# Altium PCB ADAPTONE_PCB_COPY.PcbDoc (part 9 of 11) (continued)
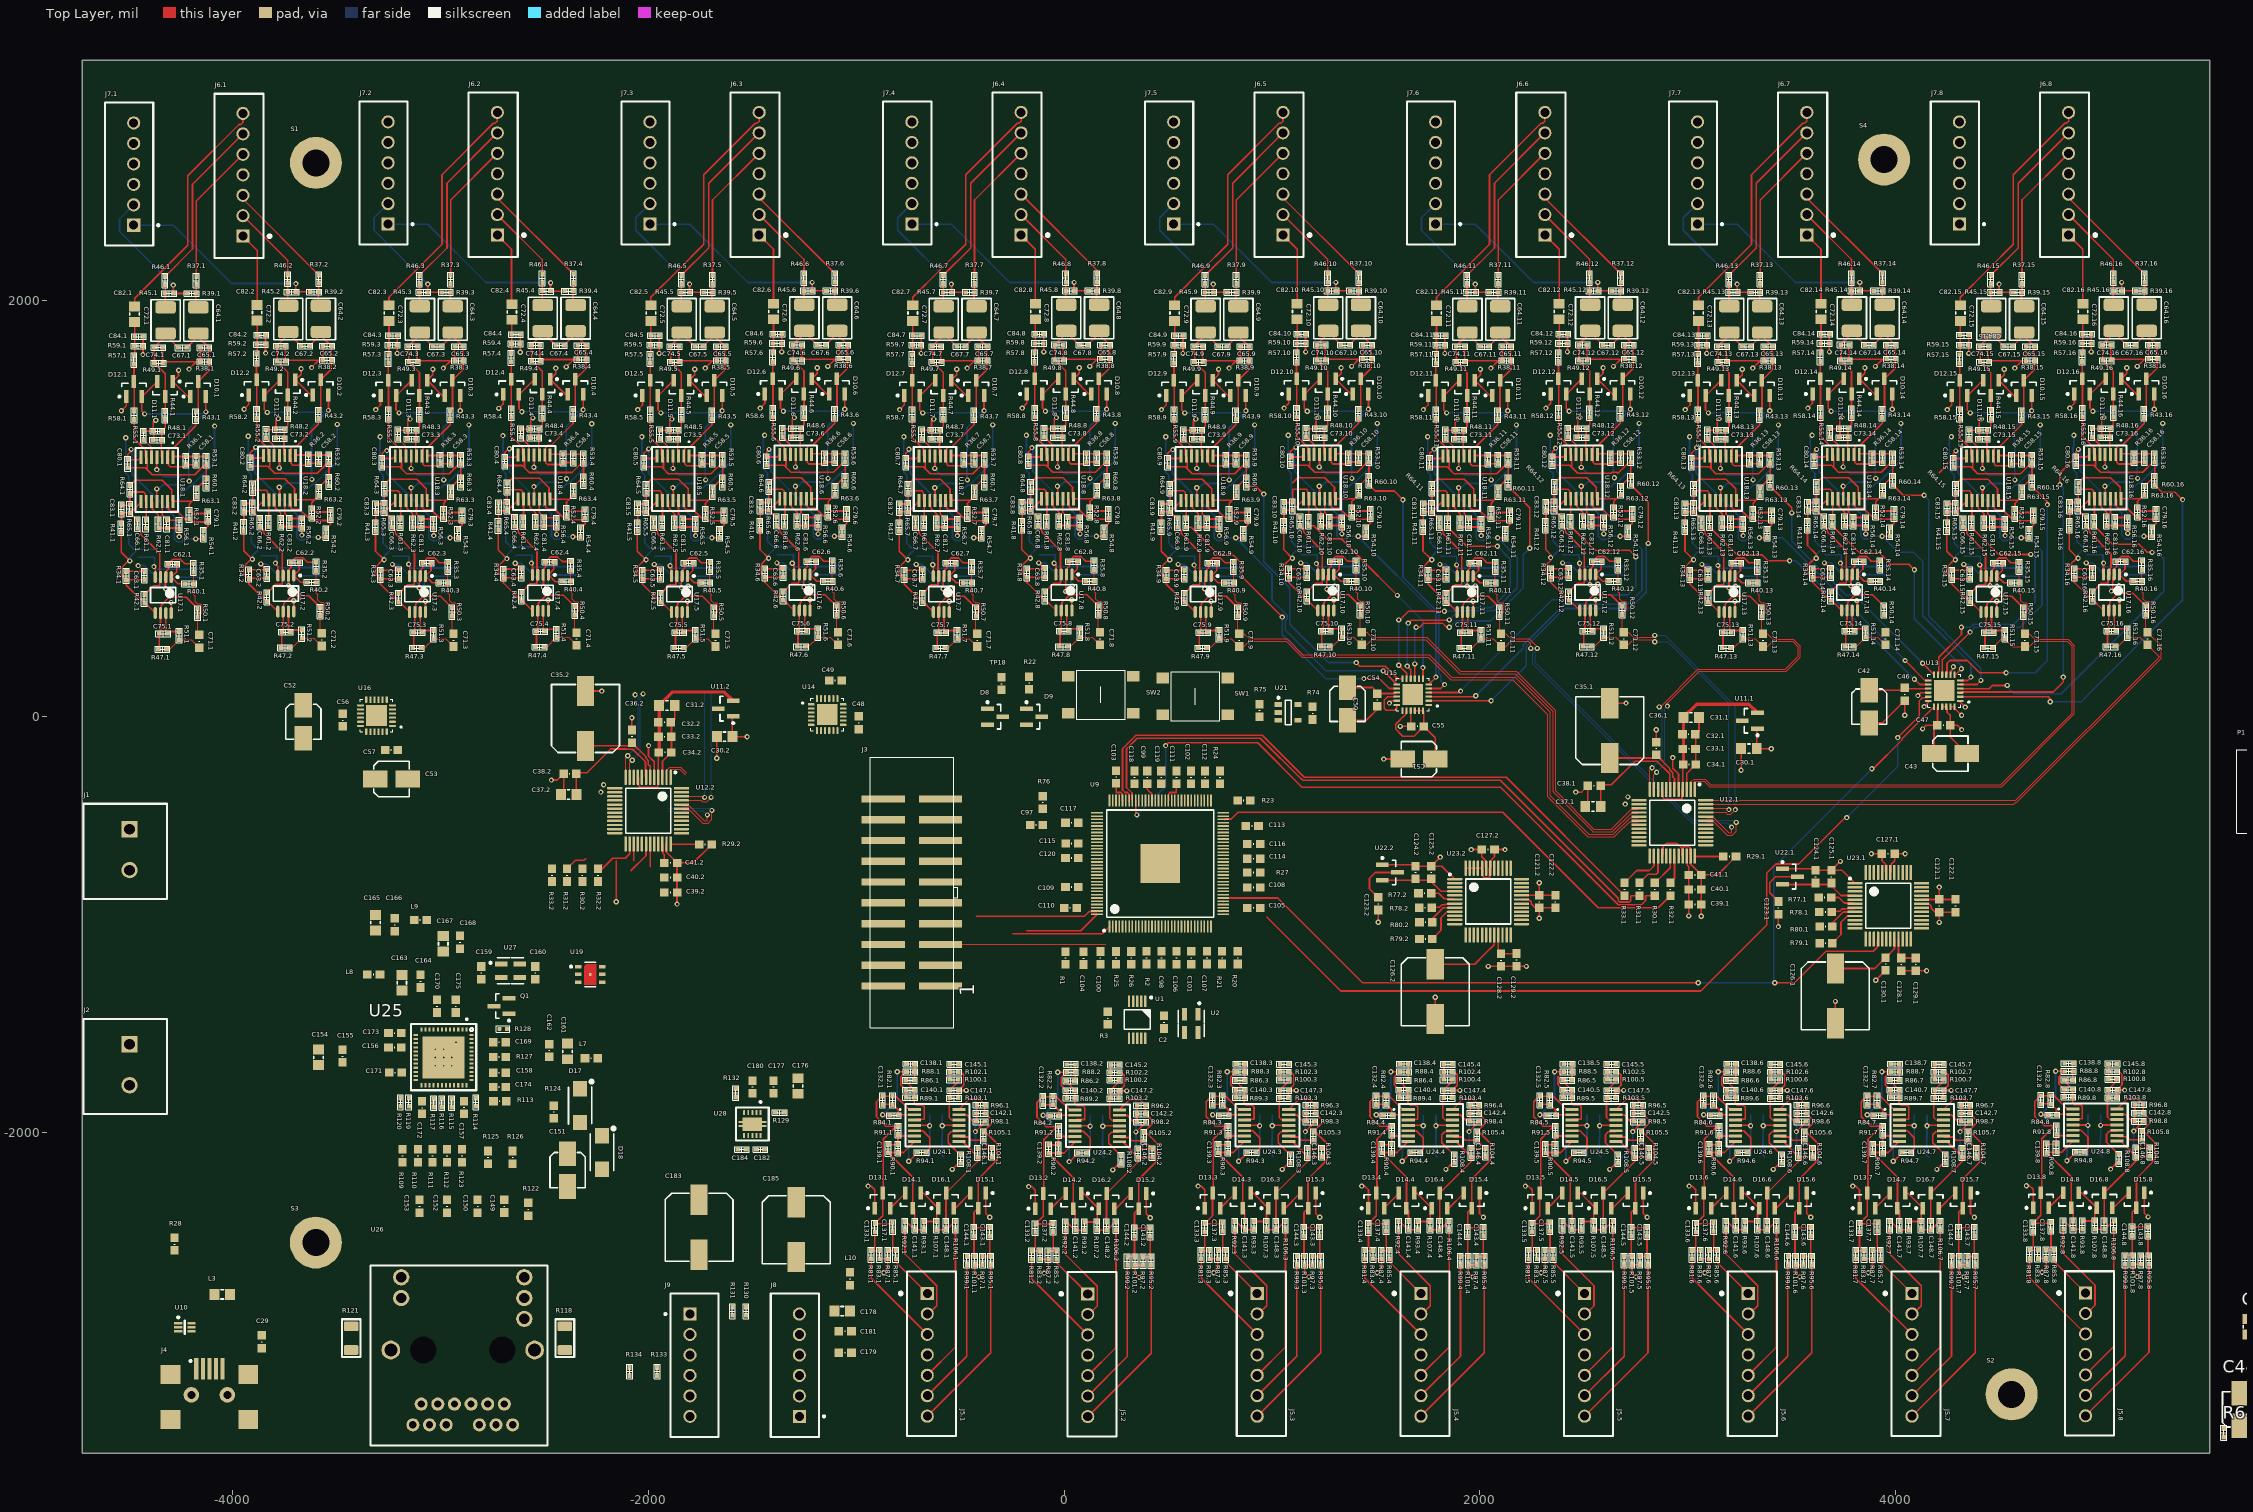
[diagram p0: Top Layer view]
## Nets (pads, with @x,y where several pads share a name; then routed paths per layer and width w, separated by ;. In a path a pad name is that pad's centre, name@x,y a point inside that pad or via, vN(x,y) a via of type N, cw(c..) or ccw(c..) an arc to the next point about the centre after c; other vN are vias at no path point) (continued)
NetC80.3_1: C80.3.1 R53.3.1 R58.3.1 R60.3.2 R63.3.2 U18.3.6 | length 819.3
  Top Layer w8: C80.3.1@-3280.97,1202.17 -3197.29,1202.17 -3187.45,1192.34 ; R58.3.1@-3250.2,1435.07 -3250.2,1342 -3206.78,1298.59 -3205.06,1298.59 -3196.85,1290.39 -3196.85,1257.79 U18.3.6@-3192.15,1253.09 -3187.45,1248.39 -3187.45,1192.34 ; R63.3.2@-2950.97,1100.54 -2950.97,1101.62 -2905.05,1147.54 R60.3.2@-2902.97,1147.54 R53.3.1@-2902.97,1217.17 -2910.52,1217.17 -2958.84,1168.86 -3163.97,1168.86 -3187.45,1192.34
NetC80.4_1: C80.4.1 R53.4.1 R58.4.1 R60.4.2 R63.4.2 U18.4.6 | length 819.3
  Top Layer w8: C80.4.1@-2689.94,1207.76 -2606.26,1207.76 -2596.42,1197.93 ; R58.4.1@-2659.17,1440.66 -2659.17,1347.59 -2615.75,1304.18 -2614.02,1304.18 -2605.82,1295.98 -2605.82,1263.38 U18.4.6@-2601.12,1258.68 -2596.42,1253.98 -2596.42,1197.93 ; R63.4.2@-2359.94,1106.13 -2359.94,1107.21 -2314.02,1153.13 R60.4.2@-2311.94,1153.13 R53.4.1@-2311.94,1222.76 -2319.49,1222.76 -2367.8,1174.45 -2572.94,1174.45 -2596.42,1197.93
NetC80.5_1: C80.5.1 R53.5.1 R58.5.1 R60.5.2 R63.5.2 U18.5.6 | length 819.3
  Top Layer w8: C80.5.1@-2021.13,1202.17 -1937.44,1202.17 -1927.61,1192.34 ; R58.5.1@-1990.35,1435.07 -1990.35,1342 -1946.94,1298.59 -1945.21,1298.59 -1937.01,1290.39 -1937.01,1257.79 U18.5.6@-1932.31,1253.09 -1927.61,1248.39 -1927.61,1192.34 ; R63.5.2@-1691.13,1100.54 -1691.13,1101.62 -1645.21,1147.54 R60.5.2@-1643.13,1147.54 R53.5.1@-1643.13,1217.17 -1650.68,1217.17 -1698.99,1168.86 -1904.13,1168.86 -1927.61,1192.34
NetC80.6_1: C80.6.1 R53.6.1 R58.6.1 R60.6.2 R63.6.2 U18.6.6 | length 819.3
  Top Layer w8: C80.6.1@-1431.46,1209.65 -1347.77,1209.65 -1337.94,1199.81 ; R58.6.1@-1400.68,1442.55 -1400.68,1349.48 -1357.27,1306.06 -1355.54,1306.06 -1347.34,1297.86 -1347.34,1265.27 U18.6.6@-1342.64,1260.57 -1337.94,1255.87 -1337.94,1199.81 ; R63.6.2@-1101.46,1108.02 -1101.46,1109.1 -1055.54,1155.02 R60.6.2@-1053.46,1155.02 R53.6.1@-1053.46,1224.65 -1061.01,1224.65 -1109.32,1176.33 -1314.46,1176.33 -1337.94,1199.81
NetC80.7_1: C80.7.1 R53.7.1 R58.7.1 R60.7.2 R63.7.2 U18.7.6 | length 819.3
  Top Layer w8: C80.7.1@-761.29,1202.17 -677.6,1202.17 -667.77,1192.34 ; R58.7.1@-730.51,1435.07 -730.51,1342 -687.1,1298.59 -685.37,1298.59 -677.17,1290.39 -677.17,1257.79 U18.7.6@-672.47,1253.09 -667.77,1248.39 -667.77,1192.34 ; R63.7.2@-431.29,1100.54 -431.29,1101.62 -385.37,1147.54 R60.7.2@-383.29,1147.54 R53.7.1@-383.29,1217.17 -390.84,1217.17 -439.15,1168.86 -644.29,1168.86 -667.77,1192.34
NetC80.8_1: C80.8.1 R53.8.1 R58.8.1 R60.8.2 R63.8.2 U18.8.6 | length 819.3
  Top Layer w8: C80.8.1@-171.62,1209.65 -87.93,1209.65 -78.1,1199.81 ; R58.8.1@-140.84,1442.55 -140.84,1349.48 -97.43,1306.06 -95.7,1306.06 -87.5,1297.86 -87.5,1265.27 U18.8.6@-82.8,1260.57 -78.1,1255.87 -78.1,1199.81 ; R63.8.2@158.38,1108.02 158.38,1109.1 204.3,1155.02 R60.8.2@206.38,1155.02 R53.8.1@206.38,1224.65 198.84,1224.65 150.52,1176.33 -54.62,1176.33 -78.1,1199.81
NetC80.9_1: C80.9.1 R53.9.1 R58.9.1 R60.9.2 R63.9.2 U18.9.6 | length 819.3
  Top Layer w8: C80.9.1@498.56,1202.17 582.24,1202.17 592.07,1192.34 ; R58.9.1@529.33,1435.07 529.33,1342 572.74,1298.59 574.47,1298.59 582.67,1290.39 582.67,1257.79 U18.9.6@587.37,1253.09 592.07,1248.39 592.07,1192.34 ; R63.9.2@828.56,1100.54 828.56,1101.62 874.47,1147.54 R60.9.2@876.56,1147.54 R53.9.1@876.56,1217.17 869.01,1217.17 820.69,1168.86 615.56,1168.86 592.07,1192.34
NetC80.10_1: C80.10.1 R53.10.1 R58.10.1 R60.10.2 R63.10.2 U18.10.6 | length 819.3
  Top Layer w8: C80.10.1@1088.23,1209.65 1171.91,1209.65 1181.75,1199.81 ; R58.10.1@1119,1442.55 1119,1349.48 1162.42,1306.06 1164.14,1306.06 1172.35,1297.86 1172.35,1265.27 U18.10.6@1177.05,1260.57 1181.75,1255.87 1181.75,1199.81 ; R63.10.2@1418.23,1108.02 1418.23,1109.1 1464.14,1155.02 R60.10.2@1466.23,1155.02 R53.10.1@1466.23,1224.65 1458.68,1224.65 1410.36,1176.33 1205.23,1176.33 1181.75,1199.81
NetC80.11_1: C80.11.1 R53.11.1 R58.11.1 R60.11.2 R63.11.2 U18.11.6 | length 819.3
  Top Layer w8: C80.11.1@1758.4,1202.17 1842.08,1202.17 1851.92,1192.34 ; R58.11.1@1789.17,1435.07 1789.17,1342 1832.59,1298.59 1834.31,1298.59 1842.52,1290.39 1842.52,1257.79 U18.11.6@1847.22,1253.09 1851.92,1248.39 1851.92,1192.34 ; R63.11.2@2088.4,1100.54 2088.4,1101.62 2134.32,1147.54 R60.11.2@2136.4,1147.54 R53.11.1@2136.4,1217.17 2128.85,1217.17 2080.53,1168.86 1875.4,1168.86 1851.92,1192.34
NetC80.12_1: C80.12.1 R53.12.1 R58.12.1 R60.12.2 R63.12.2 U18.12.6 | length 828.4
  Top Layer w8: C80.12.1@2348.07,1209.65 2431.75,1209.65 2441.59,1199.81 ; R58.12.1@2378.85,1442.55 2378.85,1349.48 2422.26,1306.06 2423.99,1306.06 2432.19,1297.86 2432.19,1265.27 U18.12.6@2436.89,1260.57 2441.59,1255.87 2441.59,1199.81 ; R63.12.2@2678.07,1108.02 2678.07,1109.1 2723.99,1155.02 R60.12.2@2726.07,1155.02 R53.12.1@2726.07,1224.65 2718.52,1224.65 2664.13,1170.25 2662.97,1170.25 2657.98,1175.24 2636.02,1175.24 2631.03,1170.25 2471.15,1170.25 2441.59,1199.81
NetC80.13_1: C80.13.1 R53.13.1 R58.13.1 R60.13.2 R63.13.2 U18.13.6 | length 819.3
  Top Layer w8: C80.13.1@3018.24,1202.17 3101.92,1202.17 3111.76,1192.34 ; R58.13.1@3049.02,1435.07 3049.02,1342 3092.43,1298.59 3094.16,1298.59 3102.36,1290.39 3102.36,1257.79 U18.13.6@3107.06,1253.09 3111.76,1248.39 3111.76,1192.34 ; R63.13.2@3348.24,1100.54 3348.24,1101.62 3394.16,1147.54 R60.13.2@3396.24,1147.54 R53.13.1@3396.24,1217.17 3388.69,1217.17 3340.38,1168.86 3135.24,1168.86 3111.76,1192.34
NetC80.14_1: C80.14.1 R53.14.1 R58.14.1 R60.14.2 R63.14.2 U18.14.6 | length 819.3
  Top Layer w8: C80.14.1@3607.91,1209.65 3691.6,1209.65 3701.43,1199.81 ; R58.14.1@3638.69,1442.55 3638.69,1349.48 3682.1,1306.06 3683.83,1306.06 3692.03,1297.86 3692.03,1265.27 U18.14.6@3696.73,1260.57 3701.43,1255.87 3701.43,1199.81 ; R63.14.2@3937.91,1108.02 3937.91,1109.1 3983.83,1155.02 R60.14.2@3985.91,1155.02 R53.14.1@3985.91,1224.65 3978.36,1224.65 3930.05,1176.33 3724.91,1176.33 3701.43,1199.81
NetC80.15_1: C80.15.1 R53.15.1 R58.15.1 R60.15.2 R63.15.2 U18.15.6 | length 819.3
  Top Layer w8: C80.15.1@4278.08,1202.17 4361.77,1202.17 4371.6,1192.34 ; R58.15.1@4308.86,1435.07 4308.86,1342 4352.27,1298.59 4354,1298.59 4362.2,1290.39 4362.2,1257.79 U18.15.6@4366.9,1253.09 4371.6,1248.39 4371.6,1192.34 ; R63.15.2@4608.08,1100.54 4608.08,1101.62 4654,1147.54 R60.15.2@4656.08,1147.54 R53.15.1@4656.08,1217.17 4648.53,1217.17 4600.22,1168.86 4395.08,1168.86 4371.6,1192.34
NetC80.16_1: C80.16.1 R53.16.1 R58.16.1 R60.16.2 R63.16.2 U18.16.6 | length 820.5
  Top Layer w8: C80.16.1@4867.75,1209.65 4951.44,1209.65 4961.27,1199.81 ; R58.16.1@4898.53,1442.55 4898.53,1349.48 4941.94,1306.06 4943.67,1306.06 4951.87,1297.86 4951.87,1265.27 U18.16.6@4956.57,1260.57 4961.27,1255.87 4961.27,1199.81 ; R63.16.2@5197.75,1108.02 5197.75,1109.1 5243.67,1155.02 R60.16.2@5245.75,1155.02 R53.16.1@5245.75,1224.65 5238.21,1224.65 5188.39,1174.83 4986.25,1174.83 4961.27,1199.81
NetC81.1_2: C81.1.2 R56.1.1 U18.1.12 | length 159.6
  Top Layer w8: U18.1.12@-4338.96,1035.36 -4338.96,969.27 -4315.1,945.4 -4259.55,945.4 R56.1.1@-4256.55,942.4
NetC81.2_2: C81.2.2 R56.2.1 U18.2.12 | length 159.6
  Top Layer w8: U18.2.12@-3749.29,1042.83 -3749.29,976.74 -3725.43,952.88 -3669.88,952.88 R56.2.1@-3666.88,949.88
NetC81.3_2: C81.3.2 R56.3.1 U18.3.12 | length 159.6
  Top Layer w8: U18.3.12@-3115.38,1040.49 -3115.38,974.4 -3091.52,950.54 -3035.97,950.54 R56.3.1@-3032.97,947.54
NetC81.4_2: C81.4.2 R56.4.1 U18.4.12 | length 159.6
  Top Layer w8: U18.4.12@-2524.35,1046.08 -2524.35,979.99 -2500.49,956.13 -2444.94,956.13 R56.4.1@-2441.94,953.13
NetC81.5_2: C81.5.2 R56.5.1 U18.5.12 | length 159.6
  Top Layer w8: U18.5.12@-1855.54,1040.49 -1855.54,974.4 -1831.68,950.54 -1776.13,950.54 R56.5.1@-1773.13,947.54
NetC81.6_2: C81.6.2 R56.6.1 U18.6.12 | length 159.6
  Top Layer w8: U18.6.12@-1265.87,1047.97 -1265.87,981.88 -1242.01,958.02 -1186.46,958.02 R56.6.1@-1183.46,955.02
NetC81.7_2: C81.7.2 R56.7.1 U18.7.12 | length 159.6
  Top Layer w8: U18.7.12@-595.7,1040.49 -595.7,974.4 -571.84,950.54 -516.29,950.54 R56.7.1@-513.29,947.54
NetC81.8_2: C81.8.2 R56.8.1 U18.8.12 | length 159.6
  Top Layer w8: U18.8.12@-6.02,1047.97 -6.02,981.88 17.84,958.02 73.38,958.02 R56.8.1@76.38,955.02
NetC81.9_2: C81.9.2 R56.9.1 U18.9.12 | length 159.6
  Top Layer w8: U18.9.12@664.15,1040.49 664.15,974.4 688.01,950.54 743.56,950.54 R56.9.1@746.56,947.54
NetC81.10_2: C81.10.2 R56.10.1 U18.10.12 | length 159.6
  Top Layer w8: U18.10.12@1253.82,1047.97 1253.82,981.88 1277.68,958.02 1333.23,958.02 R56.10.1@1336.23,955.02
NetC81.11_2: C81.11.2 R56.11.1 U18.11.12 | length 159.6
  Top Layer w8: U18.11.12@1923.99,1040.49 1923.99,974.4 1947.85,950.54 2003.4,950.54 R56.11.1@2006.4,947.54
NetC81.12_2: C81.12.2 R56.12.1 U18.12.12 | length 159.6
  Top Layer w8: U18.12.12@2513.66,1047.97 2513.66,981.88 2537.52,958.02 2593.07,958.02 R56.12.1@2596.07,955.02
NetC81.13_2: C81.13.2 R56.13.1 U18.13.12 | length 159.6
  Top Layer w8: U18.13.12@3183.83,1040.49 3183.83,974.4 3207.69,950.54 3263.24,950.54 R56.13.1@3266.24,947.54
NetC81.14_2: C81.14.2 R56.14.1 U18.14.12 | length 159.6
  Top Layer w8: U18.14.12@3773.5,1047.97 3773.5,981.88 3797.36,958.02 3852.91,958.02 R56.14.1@3855.91,955.02
NetC81.15_2: C81.15.2 R56.15.1 U18.15.12 | length 159.6
  Top Layer w8: U18.15.12@4443.67,1040.49 4443.67,974.4 4467.54,950.54 4523.08,950.54 R56.15.1@4526.08,947.54
NetC81.16_2: C81.16.2 R56.16.1 U18.16.12 | length 159.6
  Top Layer w8: U18.16.12@5033.35,1047.97 5033.35,981.88 5057.21,958.02 5112.75,958.02 R56.16.1@5115.75,955.02
NetC82.1_1: C82.1.1 J6.1.7 | length 1148.9
  Top Layer w8: C82.1.1@-4471.61,1973.44 -4471.61,2012.09 -4340.48,2143.22 -4340.43,2143.22 -4216.53,2267.12 -4216.53,2601.5 -3969.25,2848.77 -3961.21,2848.77 -3950.41,2859.57 J6.1.7@-3950.41,2901.7
NetC82.1_2: C82.1.2 C84.1.1 R57.1.2 R59.1.1 | length 162.5
  Top Layer w8: R59.1.1@-4472.82,1783.03 R59.1.1@-4471.61,1784.24 ; R57.1.2@-4471.61,1738.95 R59.1.1@-4471.61,1784.24 ; C82.1.2@-4471.61,1898.63 R59.1.1@-4471.61,1784.24 ; R59.1.1@-4470.82,1785.03 R59.1.1@-4471.61,1784.24
NetC82.2_1: C82.2.1 J6.1.1 | length 358.6
  Top Layer w8: J6.1.1@-3950.41,2311.15 -3881.94,2242.68 C82.2.1@-3881.94,1980.91
NetC82.2_2: C82.2.2 C84.2.1 R57.2.2 R59.2.1 | length 162.5
  Top Layer w8: R59.2.1@-3883.15,1790.51 R59.2.1@-3881.94,1791.71 ; R57.2.2@-3881.94,1746.42 R59.2.1@-3881.94,1791.71 ; C82.2.2@-3881.94,1906.11 R59.2.1@-3881.94,1791.71 ; R59.2.1@-3881.15,1792.51 R59.2.1@-3881.94,1791.71
NetC82.3_1: C82.3.1 J6.2.7 | length 1148.9
  Top Layer w8: C82.3.1@-3248.03,1978.57 -3248.03,2017.22 -3116.9,2148.35 -3116.85,2148.35 -2992.94,2272.25 -2992.94,2606.63 -2745.67,2853.91 -2737.63,2853.91 -2726.83,2864.71 J6.2.7@-2726.83,2906.84
NetC82.3_2: C82.3.2 C84.3.1 R57.3.2 R59.3.1 | length 162.5
  Top Layer w8: R59.3.1@-3249.24,1788.17 R59.3.1@-3248.03,1789.38 ; R57.3.2@-3248.03,1744.09 R59.3.1@-3248.03,1789.38 ; C82.3.2@-3248.03,1903.77 R59.3.1@-3248.03,1789.38 ; R59.3.1@-3247.24,1790.17 R59.3.1@-3248.03,1789.38
NetC82.4_1: C82.4.1 J6.2.1 | length 358.6
  Top Layer w8: J6.2.1@-2726.83,2316.28 -2658.36,2247.82 C82.4.1@-2658.36,1986.05
NetC82.4_2: C82.4.2 C84.4.1 R57.4.2 R59.4.1 | length 162.5
  Top Layer w8: R59.4.1@-2658.2,1793.76 R59.4.1@-2657,1794.97 ; R57.4.2@-2657,1749.68 R59.4.1@-2657,1794.97 ; C82.4.2@-2657,1909.36 R59.4.1@-2657,1794.97 ; R59.4.1@-2656.2,1795.76 R59.4.1@-2657,1794.97
NetC82.5_1: C82.5.1 J6.3.7 | length 1148.9
  Top Layer w8: C82.5.1@-1988.19,1978.57 -1988.19,2017.22 -1857.06,2148.35 -1857,2148.35 -1733.1,2272.25 -1733.1,2606.63 -1485.83,2853.91 -1477.79,2853.91 -1466.98,2864.71 J6.3.7@-1466.98,2906.84
NetC82.5_2: C82.5.2 C84.5.1 R57.5.2 R59.5.1 | length 162.5
  Top Layer w8: R59.5.1@-1989.39,1788.17 R59.5.1@-1988.19,1789.38 ; R57.5.2@-1988.19,1744.09 R59.5.1@-1988.19,1789.38 ; C82.5.2@-1988.19,1903.77 R59.5.1@-1988.19,1789.38 ; R59.5.1@-1987.39,1790.17 R59.5.1@-1988.19,1789.38
NetC82.6_1: C82.6.1 J6.3.1 | length 358.6
  Top Layer w8: J6.3.1@-1466.98,2316.28 -1398.52,2247.82 C82.6.1@-1398.52,1986.05
NetC82.6_2: C82.6.2 C84.6.1 R57.6.2 R59.6.1 | length 162.5
  Top Layer w8: R59.6.1@-1399.72,1795.65 R59.6.1@-1398.52,1796.85 ; R57.6.2@-1398.52,1751.56 R59.6.1@-1398.52,1796.85 ; C82.6.2@-1398.52,1911.25 R59.6.1@-1398.52,1796.85 ; R59.6.1@-1397.72,1797.65 R59.6.1@-1398.52,1796.85
NetC82.7_1: C82.7.1 J6.4.7 | length 1148.9
  Top Layer w8: C82.7.1@-728.35,1978.57 -728.35,2017.22 -597.22,2148.35 -597.16,2148.35 -473.26,2272.25 -473.26,2606.63 -225.99,2853.91 -217.94,2853.91 -207.14,2864.71 J6.4.7@-207.14,2906.84
NetC82.7_2: C82.7.2 C84.7.1 R57.7.2 R59.7.1 | length 162.5
  Top Layer w8: R59.7.1@-729.55,1788.17 R59.7.1@-728.35,1789.38 ; R57.7.2@-728.35,1744.09 R59.7.1@-728.35,1789.38 ; C82.7.2@-728.35,1903.77 R59.7.1@-728.35,1789.38 ; R59.7.1@-727.55,1790.17 R59.7.1@-728.35,1789.38
NetC82.8_1: C82.8.1 J6.4.1 | length 358.6
  Top Layer w8: J6.4.1@-207.14,2316.28 -138.67,2247.82 C82.8.1@-138.67,1986.05
NetC82.8_2: C82.8.2 C84.8.1 R57.8.2 R59.8.1 | length 162.5
  Top Layer w8: R59.8.1@-139.88,1795.65 R59.8.1@-138.67,1796.85 ; R57.8.2@-138.67,1751.56 R59.8.1@-138.67,1796.85 ; C82.8.2@-138.67,1911.25 R59.8.1@-138.67,1796.85 ; R59.8.1@-137.88,1797.65 R59.8.1@-138.67,1796.85
NetC82.9_1: C82.9.1 J6.5.7 | length 1148.9
  Top Layer w8: C82.9.1@531.5,1978.57 531.5,2017.22 662.63,2148.35 662.68,2148.35 786.58,2272.25 786.58,2606.63 1033.86,2853.91 1041.9,2853.91 1052.7,2864.71 J6.5.7@1052.7,2906.84
NetC82.9_2: C82.9.2 C84.9.1 R57.9.2 R59.9.1 | length 162.5
  Top Layer w8: R59.9.1@530.29,1788.17 R59.9.1@531.5,1789.38 ; R57.9.2@531.5,1744.09 R59.9.1@531.5,1789.38 ; C82.9.2@531.5,1903.77 R59.9.1@531.5,1789.38 ; R59.9.1@532.29,1790.17 R59.9.1@531.5,1789.38
NetC82.10_1: C82.10.1 J6.5.1 | length 358.6
  Top Layer w8: J6.5.1@1052.7,2316.28 1121.17,2247.82 C82.10.1@1121.17,1986.05
NetC82.10_2: C82.10.2 C84.10.1 R57.10.2 R59.10.1 | length 162.5
  Top Layer w8: R59.10.1@1119.96,1795.65 R59.10.1@1121.17,1796.85 ; R57.10.2@1121.17,1751.56 R59.10.1@1121.17,1796.85 ; C82.10.2@1121.17,1911.25 R59.10.1@1121.17,1796.85 ; R59.10.1@1121.96,1797.65 R59.10.1@1121.17,1796.85
NetC82.11_1: C82.11.1 J6.6.7 | length 1148.9
  Top Layer w8: C82.11.1@1791.34,1978.57 1791.34,2017.22 1922.47,2148.35 1922.52,2148.35 2046.43,2272.25 2046.43,2606.63 2293.7,2853.91 2301.74,2853.91 2312.54,2864.71 J6.6.7@2312.54,2906.84
NetC82.11_2: C82.11.2 C84.11.1 R57.11.2 R59.11.1 | length 162.5
  Top Layer w8: R59.11.1@1790.13,1788.17 R59.11.1@1791.34,1789.38 ; R57.11.2@1791.34,1744.09 R59.11.1@1791.34,1789.38 ; C82.11.2@1791.34,1903.77 R59.11.1@1791.34,1789.38 ; R59.11.1@1792.13,1790.17 R59.11.1@1791.34,1789.38
NetC82.12_1: C82.12.1 J6.6.1 | length 358.6
  Top Layer w8: J6.6.1@2312.54,2316.28 2381.01,2247.82 C82.12.1@2381.01,1986.05
NetC82.12_2: C82.12.2 C84.12.1 R57.12.2 R59.12.1 | length 162.5
  Top Layer w8: R59.12.1@2379.81,1795.65 R59.12.1@2381.01,1796.85 ; R57.12.2@2381.01,1751.56 R59.12.1@2381.01,1796.85 ; C82.12.2@2381.01,1911.25 R59.12.1@2381.01,1796.85 ; R59.12.1@2381.81,1797.65 R59.12.1@2381.01,1796.85
NetC82.13_1: C82.13.1 J6.7.7 | length 1148.9
  Top Layer w8: C82.13.1@3051.18,1978.57 3051.18,2017.22 3182.31,2148.35 3182.37,2148.35 3306.27,2272.25 3306.27,2606.63 3553.54,2853.91 3561.58,2853.91 3572.39,2864.71 J6.7.7@3572.39,2906.84
NetC82.13_2: C82.13.2 C84.13.1 R57.13.2 R59.13.1 | length 162.5
  Top Layer w8: R59.13.1@3049.98,1788.17 R59.13.1@3051.18,1789.38 ; R57.13.2@3051.18,1744.09 R59.13.1@3051.18,1789.38 ; C82.13.2@3051.18,1903.77 R59.13.1@3051.18,1789.38 ; R59.13.1@3051.98,1790.17 R59.13.1@3051.18,1789.38
NetC82.14_1: C82.14.1 J6.7.1 | length 358.6
  Top Layer w8: J6.7.1@3572.39,2316.28 3640.85,2247.82 C82.14.1@3640.85,1986.05
NetC82.14_2: C82.14.2 C84.14.1 R57.14.2 R59.14.1 | length 162.5
  Top Layer w8: R59.14.1@3639.65,1795.65 R59.14.1@3640.85,1796.85 ; R57.14.2@3640.85,1751.56 R59.14.1@3640.85,1796.85 ; C82.14.2@3640.85,1911.25 R59.14.1@3640.85,1796.85 ; R59.14.1@3641.65,1797.65 R59.14.1@3640.85,1796.85
NetC82.15_1: C82.15.1 J6.8.7 | length 1148.9
  Top Layer w8: C82.15.1@4311.02,1978.57 4311.02,2017.22 4442.15,2148.35 4442.21,2148.35 4566.11,2272.25 4566.11,2606.63 4813.38,2853.91 4821.43,2853.91 4832.23,2864.71 J6.8.7@4832.23,2906.84
NetC82.15_2: C82.15.2 C84.15.1 R57.15.2 R59.15.1 | length 162.5
  Top Layer w8: R59.15.1@4309.82,1788.17 R59.15.1@4311.02,1789.38 ; R57.15.2@4311.02,1744.09 R59.15.1@4311.02,1789.38 ; C82.15.2@4311.02,1903.77 R59.15.1@4311.02,1789.38 ; R59.15.1@4311.82,1790.17 R59.15.1@4311.02,1789.38
NetC82.16_1: C82.16.1 J6.8.1 | length 358.6
  Top Layer w8: J6.8.1@4832.23,2316.28 4900.7,2247.82 C82.16.1@4900.7,1986.05
NetC82.16_2: C82.16.2 C84.16.1 R57.16.2 R59.16.1 | length 162.5
  Top Layer w8: R59.16.1@4899.49,1795.65 R59.16.1@4900.7,1796.85 ; R57.16.2@4900.7,1751.56 R59.16.1@4900.7,1796.85 ; C82.16.2@4900.7,1911.25 R59.16.1@4900.7,1796.85 ; R59.16.1@4901.49,1797.65 R59.16.1@4900.7,1796.85
NetC83.1_1: C83.1.1 R61.1.1 R64.1.1 R65.1.2 U18.1.9 | length 309.4
  Top Layer w8: C83.1.1@-4534.84,1017.75 -4496.55,1017.4 R65.1.2@-4494.55,1019.4 -4493.55,1020.4 R64.1.1@-4493.55,1073.03 -4493.55,1080.85 -4428.64,1080.85 -4420.44,1072.65 -4420.44,1040.06 U18.1.9@-4415.74,1035.36 -4415.74,947.22 R61.1.1@-4417.55,945.4
NetC83.2_1: C83.2.1 R61.2.1 R64.2.1 R65.2.2 U18.2.9 | length 309.4
  Top Layer w8: C83.2.1@-3945.17,1025.22 -3906.88,1024.88 R65.2.2@-3904.88,1026.88 -3903.88,1027.88 R64.2.1@-3903.88,1080.51 -3903.88,1088.33 -3838.97,1088.33 -3830.76,1080.13 -3830.76,1047.53 U18.2.9@-3826.06,1042.83 -3826.06,954.7 R61.2.1@-3827.88,952.88
NetC83.3_1: C83.3.1 R61.3.1 R64.3.1 R65.3.2 U18.3.9 | length 309.4
  Top Layer w8: C83.3.1@-3311.26,1022.88 -3272.97,1022.54 R65.3.2@-3270.97,1024.54 -3269.97,1025.54 R64.3.1@-3269.97,1078.17 -3269.97,1085.99 -3205.06,1085.99 -3196.85,1077.79 -3196.85,1045.2 U18.3.9@-3192.15,1040.49 -3192.15,952.36 R61.3.1@-3193.97,950.54
NetC83.4_1: C83.4.1 R61.4.1 R64.4.1 R65.4.2 U18.4.9 | length 309.4
  Top Layer w8: C83.4.1@-2720.23,1028.47 -2681.94,1028.13 R65.4.2@-2679.94,1030.13 -2678.94,1031.13 R64.4.1@-2678.94,1083.76 -2678.94,1091.58 -2614.02,1091.58 -2605.82,1083.38 -2605.82,1050.79 U18.4.9@-2601.12,1046.08 -2601.12,957.95 R61.4.1@-2602.94,956.13
NetC83.5_1: C83.5.1 R61.5.1 R64.5.1 R65.5.2 U18.5.9 | length 309.4
  Top Layer w8: C83.5.1@-2051.42,1022.88 -2013.13,1022.54 R65.5.2@-2011.13,1024.54 -2010.13,1025.54 R64.5.1@-2010.13,1078.17 -2010.13,1085.99 -1945.21,1085.99 -1937.01,1077.79 -1937.01,1045.2 U18.5.9@-1932.31,1040.49 -1932.31,952.36 R61.5.1@-1934.13,950.54
NetC83.6_1: C83.6.1 R61.6.1 R64.6.1 R65.6.2 U18.6.9 | length 309.4
  Top Layer w8: C83.6.1@-1461.74,1030.36 -1423.46,1030.02 R65.6.2@-1421.46,1032.02 -1420.46,1033.02 R64.6.1@-1420.46,1085.65 -1420.46,1093.47 -1355.54,1093.47 -1347.34,1085.27 -1347.34,1052.67 U18.6.9@-1342.64,1047.97 -1342.64,959.84 R61.6.1@-1344.46,958.02
NetC83.7_1: C83.7.1 R61.7.1 R64.7.1 R65.7.2 U18.7.9 | length 309.4
  Top Layer w8: C83.7.1@-791.57,1022.88 -753.29,1022.54 R65.7.2@-751.29,1024.54 -750.29,1025.54 R64.7.1@-750.29,1078.17 -750.29,1085.99 -685.37,1085.99 -677.17,1077.79 -677.17,1045.2 U18.7.9@-672.47,1040.49 -672.47,952.36 R61.7.1@-674.29,950.54
NetC83.8_1: C83.8.1 R61.8.1 R64.8.1 R65.8.2 U18.8.9 | length 309.4
  Top Layer w8: C83.8.1@-201.9,1030.36 -163.62,1030.02 R65.8.2@-161.62,1032.02 -160.62,1033.02 R64.8.1@-160.62,1085.65 -160.62,1093.47 -95.7,1093.47 -87.5,1085.27 -87.5,1052.67 U18.8.9@-82.8,1047.97 -82.8,959.84 R61.8.1@-84.62,958.02
NetC83.9_1: C83.9.1 R61.9.1 R64.9.1 R65.9.2 U18.9.9 | length 309.4
  Top Layer w8: C83.9.1@468.27,1022.88 506.55,1022.54 R65.9.2@508.56,1024.54 509.56,1025.54 R64.9.1@509.56,1078.17 509.56,1085.99 574.47,1085.99 582.67,1077.79 582.67,1045.2 U18.9.9@587.37,1040.49 587.37,952.36 R61.9.1@585.56,950.54
NetC83.10_1: C83.10.1 R61.10.1 R64.10.1 R65.10.2 U18.10.9 | length 309.4
  Top Layer w8: C83.10.1@1057.94,1030.36 1096.23,1030.02 R65.10.2@1098.23,1032.02 1099.23,1033.02 1099.23,1085.65 1099.23,1093.47 1164.14,1093.47 1172.35,1085.27 1172.35,1052.67 U18.10.9@1177.05,1047.97 1177.05,959.84 R61.10.1@1175.23,958.02
NetC83.11_1: C83.11.1 R61.11.1 R64.11.1 R65.11.2 U18.11.9 | length 309.4
  Top Layer w8: C83.11.1@1728.11,1022.88 1766.4,1022.54 R65.11.2@1768.4,1024.54 1769.4,1025.54 R64.11.1@1769.4,1078.17 1769.4,1085.99 1834.31,1085.99 1842.52,1077.79 1842.52,1045.2 U18.11.9@1847.22,1040.49 1847.22,952.36 R61.11.1@1845.4,950.54
NetC83.12_1: C83.12.1 R61.12.1 R64.12.1 R65.12.2 U18.12.9 | length 309.4
  Top Layer w8: C83.12.1@2317.78,1030.36 2356.07,1030.02 R65.12.2@2358.07,1032.02 2359.07,1033.02 R64.12.1@2359.07,1085.65 2359.07,1093.47 2423.99,1093.47 2432.19,1085.27 2432.19,1052.67 U18.12.9@2436.89,1047.97 2436.89,959.84 R61.12.1@2435.07,958.02
NetC83.13_1: C83.13.1 R61.13.1 R64.13.1 R65.13.2 U18.13.9 | length 309.4
  Top Layer w8: C83.13.1@2987.95,1022.88 3026.24,1022.54 R65.13.2@3028.24,1024.54 3029.24,1025.54 R64.13.1@3029.24,1078.17 3029.24,1085.99 3094.16,1085.99 3102.36,1077.79 3102.36,1045.2 U18.13.9@3107.06,1040.49 3107.06,952.36 R61.13.1@3105.24,950.54
NetC83.14_1: C83.14.1 R61.14.1 R64.14.1 R65.14.2 U18.14.9 | length 309.4
  Top Layer w8: C83.14.1@3577.63,1030.36 3615.91,1030.02 R65.14.2@3617.91,1032.02 3618.91,1033.02 R64.14.1@3618.91,1085.65 3618.91,1093.47 3683.83,1093.47 3692.03,1085.27 3692.03,1052.67 U18.14.9@3696.73,1047.97 3696.73,959.84 R61.14.1@3694.91,958.02
NetC83.15_1: C83.15.1 R61.15.1 R64.15.1 R65.15.2 U18.15.9 | length 309.4
  Top Layer w8: C83.15.1@4247.8,1022.88 4286.08,1022.54 R65.15.2@4288.08,1024.54 4289.08,1025.54 R64.15.1@4289.08,1078.17 4289.08,1085.99 4354,1085.99 4362.2,1077.79 4362.2,1045.2 U18.15.9@4366.9,1040.49 4366.9,952.36 R61.15.1@4365.08,950.54
NetC83.16_1: C83.16.1 R61.16.1 R64.16.1 R65.16.2 U18.16.9 | length 309.4
  Top Layer w8: C83.16.1@4837.47,1030.36 4875.75,1030.02 R65.16.2@4877.75,1032.02 4878.75,1033.02 R64.16.1@4878.75,1085.65 4878.75,1093.47 4943.67,1093.47 4951.87,1085.27 4951.87,1052.67 U18.16.9@4956.57,1047.97 4956.57,959.84 R61.16.1@4954.75,958.02
NetC85_2: C85.2 U20.8
NetC86_1: C86.1 U20.1
NetC86_2: C86.2 L6.1 U20.3
NetC88_1: C88.1 L4.2 L5.1 R67.1
NetC92_1: C92.1 C95.1 U20.6
NetC92_2: C92.2 R72.1
NetC96_1: C96.1 R68.2 R71.1 U19.6
NetC97_1: C97.1 R76.2 U9.103
NetC124.1_1: C124.1.1 C125.1.1 U22.1.2 U23.1.4 | length 370.9
  Top Layer w8: U22.1.2@3455.27,-807.4 3683.88,-807.4 3737.26,-860.79 U23.1.4@3804.09,-860.79
NetC124.2_1: C124.2.1 C125.2.1 U22.2.2 U23.2.4 | length 370.9
  Top Layer w8: U22.2.2@1530.47,-786.94 1759.08,-786.94 1812.47,-840.32 U23.2.4@1879.3,-840.32
NetC126.1_+: C126.1.+ C130.1.1 U23.1.20 | length 370
  Top Layer w8: C126.1.+@3710,-1211.69 3899.66,-1211.69 C130.1.1@3951.87,-1159.49 3994.05,-1117.3 U23.1.20@3994.05,-1070.43
NetC126.2_+: C126.2.+ C130.2.1 U23.2.20 | length 370
  Top Layer w8: C126.2.+@1785.2,-1191.23 1974.86,-1191.23 2027.07,-1139.02 2069.26,-1096.84 U23.2.20@2069.26,-1049.97
NetC128.1_1: C128.1.1 C129.1.1 U23.1.21 | length 165.6
  Top Layer w8: U23.1.21@4013.74,-1070.43 4013.74,-1148.1 C128.1.1@4026.69,-1161.05 C129.1.1@4096.28,-1161.05
NetC128.2_1: C128.2.1 C129.2.1 U23.2.21 | length 165.6
  Top Layer w8: U23.2.21@2088.94,-1049.97 2088.94,-1127.64 C128.2.1@2101.89,-1140.59 C129.2.1@2171.49,-1140.59
NetC132.1_1: C132.1.1 R82.1.2 R84.1.1 U24.1.2 | length 193.1
  Top Layer w8: C132.1.1@-873.39,-1865.15 R82.1.2@-825.08,-1865.15 -798.39,-1891.83 R84.1.1@-798.39,-1918.46 -795.21,-1915.28 U24.1.2@-719.31,-1915.28
NetC132.1_2: C132.1.2 C133.1.1 C137.1.1 D13.1.3 R82.1.1 R91.1.2 R130.2 U24.1.1 | length 1015.3
  Top Layer w8: C137.1.1@-825.08,-2435.5 -828.35,-2438.78 C133.1.1@-910.79,-2438.78 -873.39,-2401.37 D13.1.3@-873.39,-2292.04 -869.92,-2288.57 -869.92,-2032.96 R91.1.2@-807.73,-1970.78 ; R91.1.2@-798.08,-1970.78 R91.1.2@-807.73,-1970.78 ; U24.1.1@-719.31,-1889.69 -745.85,-1889.69 -809.76,-1825.78 R82.1.1@-825.08,-1825.78 C132.1.2@-873.39,-1825.78 -875.48,-1825.78 -903.08,-1853.38 -903.08,-1925.46 -857.76,-1970.78 R91.1.2@-807.73,-1970.78
NetC132.2_1: C132.2.1 R82.2.2 R84.2.1 U24.2.2 | length 193.1
  Top Layer w8: C132.2.1@-101.31,-1867.23 R82.2.2@-53,-1867.23 -26.31,-1893.91 R84.2.1@-26.31,-1920.54 -23.13,-1917.36 U24.2.2@52.76,-1917.36
NetC132.2_2: C132.2.2 C133.2.1 C137.2.1 D13.2.3 R82.2.1 R91.2.2 U24.2.1 | length 1015.3
  Top Layer w8: C137.2.1@-53,-2437.58 -56.28,-2440.86 C133.2.1@-138.72,-2440.86 -101.31,-2403.46 D13.2.3@-101.31,-2294.13 -97.84,-2290.65 -97.84,-2035.05 R91.2.2@-35.65,-1972.86 ; R91.2.2@-26,-1972.86 R91.2.2@-35.65,-1972.86 ; U24.2.1@52.76,-1891.77 26.23,-1891.77 -37.68,-1827.86 R82.2.1@-53,-1827.86 C132.2.2@-101.31,-1827.86 -103.4,-1827.86 -131,-1855.46 -131,-1927.54 -85.69,-1972.86 R91.2.2@-35.65,-1972.86
NetC132.3_1: C132.3.1 R82.3.2 R84.3.1 U24.3.2 | length 193.1
  Top Layer w8: C132.3.1@713.86,-1865.15 R82.3.2@762.18,-1865.15 788.86,-1891.83 R84.3.1@788.86,-1918.46 792.04,-1915.28 U24.3.2@867.94,-1915.28
NetC132.3_2: C132.3.2 C133.3.1 C137.3.1 D13.3.3 R82.3.1 R91.3.2 U24.3.1 | length 1015.3
  Top Layer w8: C137.3.1@762.18,-2435.5 758.9,-2438.78 C133.3.1@676.46,-2438.78 713.86,-2401.37 D13.3.3@713.86,-2292.04 717.33,-2288.57 717.33,-2032.96 R91.3.2@779.52,-1970.78 ; R91.3.2@789.18,-1970.78 R91.3.2@779.52,-1970.78 ; U24.3.1@867.94,-1889.69 841.4,-1889.69 777.49,-1825.78 R82.3.1@762.18,-1825.78 C132.3.2@713.86,-1825.78 711.78,-1825.78 684.18,-1853.38 684.18,-1925.46 729.49,-1970.78 R91.3.2@779.52,-1970.78
NetC132.4_1: C132.4.1 R82.4.2 R84.4.1 U24.4.2 | length 193.1
  Top Layer w8: C132.4.1@1501.26,-1865.15 R82.4.2@1549.58,-1865.15 1576.26,-1891.83 R84.4.1@1576.26,-1918.46 1579.44,-1915.28 U24.4.2@1655.34,-1915.28
NetC132.4_2: C132.4.2 C133.4.1 C137.4.1 D13.4.3 R82.4.1 R91.4.2 U24.4.1 | length 1015.3
  Top Layer w8: C137.4.1@1549.58,-2435.5 1546.3,-2438.78 C133.4.1@1463.86,-2438.78 1501.26,-2401.37 D13.4.3@1501.26,-2292.04 1504.74,-2288.57 1504.74,-2032.96 R91.4.2@1566.92,-1970.78 ; R91.4.2@1576.58,-1970.78 R91.4.2@1566.92,-1970.78 ; U24.4.1@1655.34,-1889.69 1628.81,-1889.69 1564.89,-1825.78 R82.4.1@1549.58,-1825.78 C132.4.2@1501.26,-1825.78 1499.18,-1825.78 1471.58,-1853.38 1471.58,-1925.46 1516.89,-1970.78 R91.4.2@1566.92,-1970.78
NetC132.5_1: C132.5.1 R82.5.2 R84.5.1 U24.5.2 | length 193.1
  Top Layer w8: C132.5.1@2288.66,-1865.15 R82.5.2@2336.98,-1865.15 2363.66,-1891.83 R84.5.1@2363.66,-1918.46 2366.85,-1915.28 U24.5.2@2442.74,-1915.28